# KiCad board model-b.kicad_pcb
title: Model-B; date: 2024-06-18; rev: 0.1; note: Made with spite
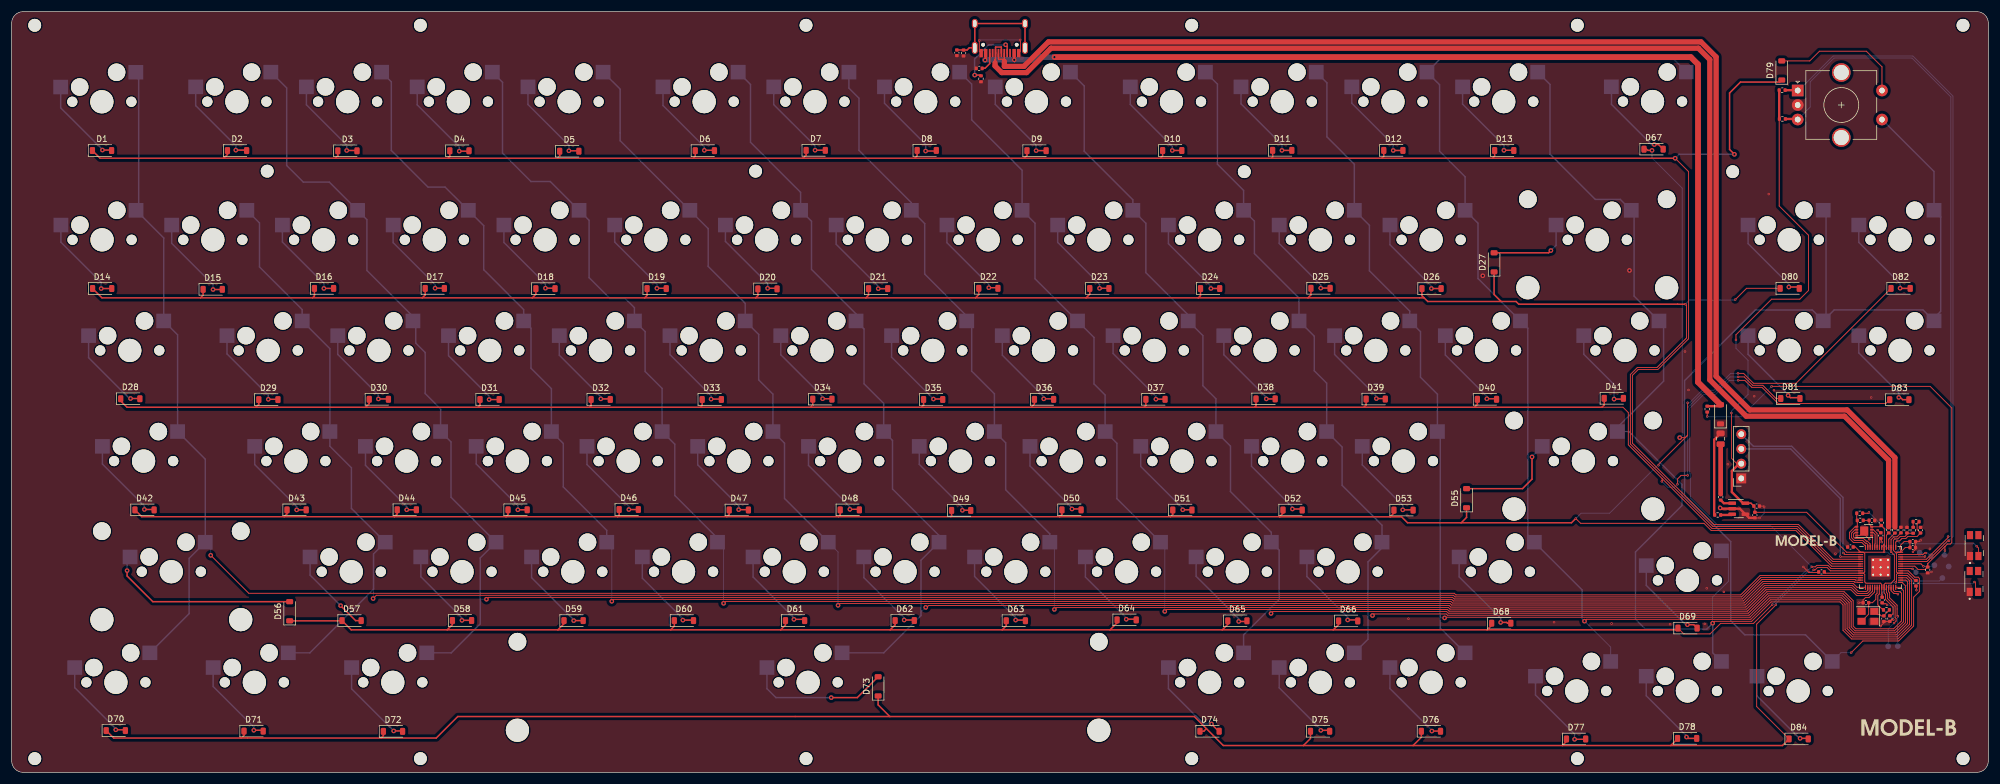
[diagram p0: board, top side]
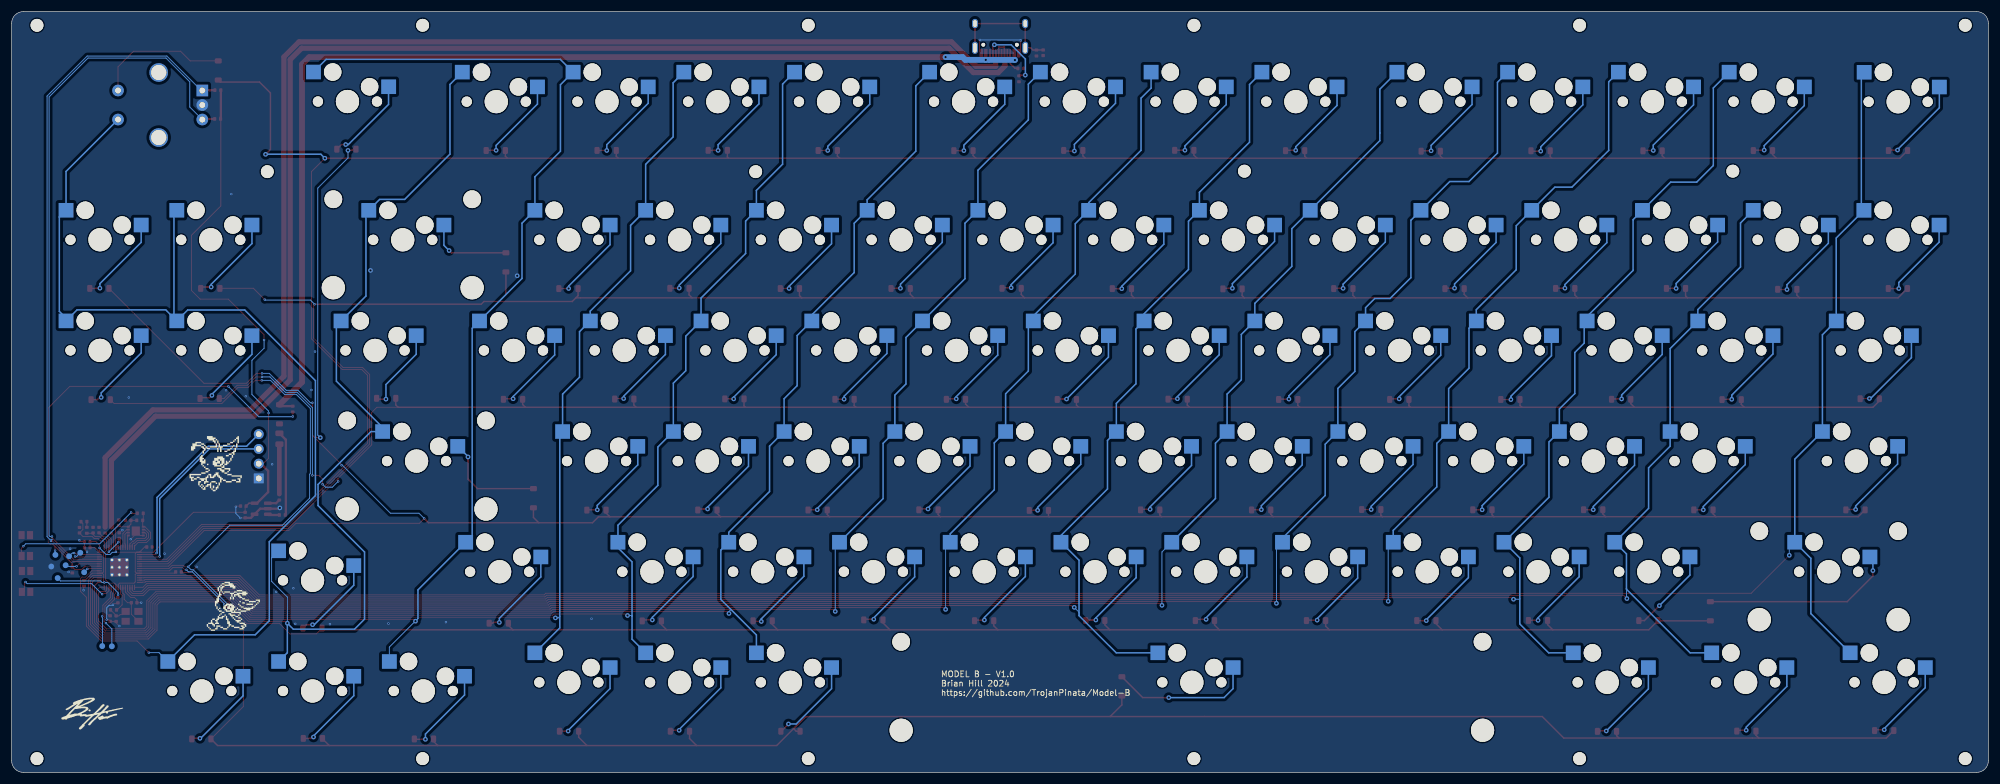
[diagram p1: board, bottom side, seen from below]

Outline 340 x 131 mm; copper layers: Top, Bottom. Coordinates in mm from the lower left corner of the outline.
Outline path: 0,129 0,2 arc(0.59,0.59) 2,0 338,0 arc(339.41,0.59) 340,2 340,129 arc(339.41,130.41) 338,131 2,131 arc(0.59,130.41) 0,129
Stack: Top 0.035mm / dielectric 1.51mm FR4 er 4.5 / Bottom 0.035mm

## Placement (name value [footprint] x y rotation side)
C1  0.1uF  [C_0402_1005Metric]  319.96 43.41 180 top
C2  22pF  [C_0402_1005Metric]  318.93 29.22 0 top
C3  22pF  [C_0402_1005Metric]  322.02 26.47 270 top
C4  0.1uF  [C_0402_1005Metric]  162.58 123.92 270 top
C5  10uF  [C_0402_1005Metric]  299.84 44.31 270 top
C6  10uF  [C_0402_1005Metric]  300.14 45.86 0 top
C7  1uF  [C_0402_1005Metric]  324.96 41.73 90 top
C8  0.1uF  [C_0402_1005Metric]  323.06 26.49 270 top
C9  0.1uF  [C_0402_1005Metric]  321.5 40.78 90 top
C10  0.1uF  [C_0402_1005Metric]  321.73 29.68 270 top
C11  2.2uF  [C_0402_1005Metric]  328.33 41.7 90 top
C12  0.1uF  [C_0402_1005Metric]  326.99 39.74 0 top
C13  0.1uF  [C_0402_1005Metric]  326.99 38.72 0 top
C14  0.1uF  [C_0402_1005Metric]  316.28 38.81 180 top
C15  0.1uF  [C_0402_1005Metric]  321.58 42.99 90 top
C16  0.1uF  [C_0402_1005Metric]  327.55 32.57 270 top
C17  0.1uF  [C_0402_1005Metric]  326 41.71 90 top
C18  2.2uF  [C_0402_1005Metric]  311.29 34.52 180 top
D1  D  [D_SOD-123]  15.54 107.08 0 top
D2  D  [D_SOD-123]  38.77 107.07 0 top
D3  D  [D_SOD-123]  57.75 107.03 0 top
D4  D  [D_SOD-123]  77.02 107.04 0 top
D5  D  [D_SOD-123]  95.92 106.96 0 top
D6  D  [D_SOD-123]  119.23 107.06 0 top
D7  D  [D_SOD-123]  138.31 107.11 0 top
D8  D  [D_SOD-123]  157.4 107.09 0 top
D9  D  [D_SOD-123]  176.29 107.06 0 top
D10  D  [D_SOD-123]  199.62 107.08 0 top
D11  D  [D_SOD-123]  218.54 107.11 0 top
D12  D  [D_SOD-123]  237.66 107.1 0 top
D13  D  [D_SOD-123]  256.73 107.08 0 top
D14  D  [D_SOD-123]  15.57 83.32 0 top
D15  D  [D_SOD-123]  34.59 83.18 0 top
D16  D  [D_SOD-123]  53.73 83.34 0 top
D17  D  [D_SOD-123]  72.78 83.34 0 top
D18  D  [D_SOD-123]  91.81 83.3 0 top
D19  D  [D_SOD-123]  110.95 83.31 0 top
D20  D  [D_SOD-123]  130 83.26 0 top
D21  D  [D_SOD-123]  149.04 83.3 0 top
D22  D  [D_SOD-123]  168 83.35 0 top
D23  D  [D_SOD-123]  187.09 83.33 0 top
D24  D  [D_SOD-123]  206.14 83.32 0 top
D25  D  [D_SOD-123]  225.13 83.35 0 top
D26  D  [D_SOD-123]  244.22 83.31 0 top
D27  D  [D_SOD-123]  254.99 87.82 90 top
D28  D  [D_SOD-123]  20.41 64.34 0 top
D29  D  [D_SOD-123]  44.16 64.19 0 top
D30  D  [D_SOD-123]  63.16 64.24 0 top
D31  D  [D_SOD-123]  82.21 64.21 0 top
D32  D  [D_SOD-123]  101.32 64.22 0 top
D33  D  [D_SOD-123]  120.42 64.21 0 top
D34  D  [D_SOD-123]  139.44 64.27 0 top
D35  D  [D_SOD-123]  158.5 64.21 0 top
D36  D  [D_SOD-123]  177.57 64.23 0 top
D37  D  [D_SOD-123]  196.74 64.24 0 top
D38  D  [D_SOD-123]  215.68 64.31 0 top
D39  D  [D_SOD-123]  234.62 64.29 0 top
D40  D  [D_SOD-123]  253.76 64.24 0 top
D41  D  [D_SOD-123]  275.58 64.41 0 top
D42  D  [D_SOD-123]  22.86 45.2 0 top
D43  D  [D_SOD-123]  49.01 45.21 0 top
D44  D  [D_SOD-123]  67.97 45.23 0 top
D45  D  [D_SOD-123]  87.03 45.22 0 top
D46  D  [D_SOD-123]  106.14 45.26 0 top
D47  D  [D_SOD-123]  125.08 45.19 0 top
D48  D  [D_SOD-123]  144.16 45.2 0 top
D49  D  [D_SOD-123]  163.32 45.11 0 top
D50  D  [D_SOD-123]  182.3 45.21 0 top
D51  D  [D_SOD-123]  201.37 45.18 0 top
D52  D  [D_SOD-123]  220.32 45.18 0 top
D53  D  [D_SOD-123]  239.41 45.16 0 top
D54  1N4002W  [D_SOD-123]  293.93 61.67 90 top
D55  D  [D_SOD-123]  250.25 47.21 90 top
D56  D  [D_SOD-123]  47.82 27.75 90 top
D57  D  [D_SOD-123]  58.47 26.14 0 top
D58  D  [D_SOD-123]  77.46 26.16 0 top
D59  D  [D_SOD-123]  96.66 26.14 0 top
D60  D  [D_SOD-123]  115.64 26.14 0 top
D61  D  [D_SOD-123]  134.75 26.14 0 top
D62  D  [D_SOD-123]  153.61 26.15 0 top
D63  D  [D_SOD-123]  172.72 26.12 0 top
D64  D  [D_SOD-123]  191.78 26.26 0 top
D65  D  [D_SOD-123]  210.83 26.1 0 top
D66  D  [D_SOD-123]  229.88 26.08 0 top
D67  D  [D_SOD-123]  282.42 107.31 0 top
D68  D  [D_SOD-123]  256.21 25.69 0 top
D69  D  [D_SOD-123]  288.25 24.85 0 top
D70  D  [D_SOD-123]  17.92 7.2 0 top
D71  D  [D_SOD-123]  41.62 7.11 0 top
D72  D  [D_SOD-123]  65.59 7.06 0 top
D73  D  [D_SOD-123]  149.04 14.81 90 top
D74  D  [D_SOD-123]  206.04 7.08 0 top
D75  D  [D_SOD-123]  225.05 7.08 0 top
D76  D  [D_SOD-123]  244.12 7.08 0 top
D77  D  [D_SOD-123]  269.08 5.75 0 top
D78  D  [D_SOD-123]  288.18 5.85 0 top
D79  D  [D_SOD-123]  304.46 120.86 90 top
D80  D  [D_SOD-123]  305.83 83.34 0 top
D81  D  [D_SOD-123]  305.94 64.38 0 top
D82  D  [D_SOD-123]  324.91 83.34 0 top
D83  D  [D_SOD-123]  324.68 64.18 0 top
D84  D  [D_SOD-123]  307.37 5.76 0 top
F1  0805L050WR  [Fuse_0805_2012Metric]  293.94 57.46 270 top
FB1  FB  [R_0402_1005Metric]  293.95 47.41 90 top
G***  -  [LOGO]  326.15 7.27 0 top
G***#2  -  [LOGO]  308.55 39.62 0 top
G***#3  -  [LOGO]  326 10.27 180 bottom
G***#4  -  [LOGO]  304.91 53.16 180 bottom
G***#5  -  [LOGO]  301.75 28.59 180 bottom
NOREF  -  [MountingHole_2.2mm_M2_ISO7380]  269.31 2.37 0 top
NOREF#2  -  [unnamed]  212.02 103.44 0 top
NOREF#3  -  [unnamed]  202.97 128.65 0 top
NOREF#4  -  [unnamed]  296.02 103.44 0 top
NOREF#5  -  [unnamed]  70.31 128.65 0 top
NOREF#6  -  [unnamed]  335.64 128.65 0 top
NOREF#7  -  [unnamed]  3.97 128.65 0 top
NOREF#8  -  [MountingHole_2.2mm_M2_ISO7380]  335.64 2.37 0 top
NOREF#9  -  [MountingHole_2.2mm_M2_ISO7380]  70.31 2.37 0 top
NOREF#10  -  [unnamed]  269.31 128.65 0 top
NOREF#11  -  [unnamed]  136.64 128.65 0 top
NOREF#12  -  [unnamed]  127.96 103.53 0 top
NOREF#13  -  [MountingHole_2.2mm_M2_ISO7380]  202.98 2.37 0 top
NOREF#14  -  [MountingHole_2.2mm_M2_ISO7380]  136.65 2.37 0 top
NOREF#15  -  [unnamed]  43.96 103.53 0 top
OLED1  Conn_01x04  [PinSocket_1x04_P2.54mm_Vertical]  297.5 50.62 180 top
R1  10k  [R_0402_1005Metric]  304.53 117.48 180 top
R2  10k  [R_0402_1005Metric]  304.57 112.52 180 top
R3  1k  [R_0402_1005Metric]  317.87 44.62 180 top
R4  10k  [R_0402_1005Metric]  317.97 43.4 0 top
R5  1k  [R_0402_1005Metric]  322.47 27.98 180 top
R6  10k  [R_0402_1005Metric]  163.73 123.87 90 top
R7  10k  [R_0402_1005Metric]  329.56 34.86 90 top
R8  5.6k  [R_0402_1005Metric]  291.65 62.56 90 top
R9  5.1k  [R_0402_1005Metric]  166.73 119.43 270 top
R10  5.1k  [R_0402_1005Metric]  166.42 121.22 180 top
R11  100k  [R_0402_1005Metric]  293.44 44.33 0 top
R13  200  [R_0402_1005Metric]  327.07 41.69 90 top
R14  1  [R_0402_1005Metric]  327.56 43.18 0 top
R15  27  [R_0402_1005Metric]  322.86 41.75 90 top
R16  27  [R_0402_1005Metric]  323.92 41.72 90 top
REF**  -  [MountingHole_2.2mm_M2_ISO7380]  3.98 2.37 0 top
ROTARY1  VOLUME  [RotaryEncoder_Alps_EC11E-Switch_Vertical_H20mm_CircularMountingHoles]  307.2 117.42 0 top
S1  BOOT_SEL  [SW_EVQ-P7A01P]  337.56 39.06 90 top
S2  RESET  [SW_EVQ-P7A01P]  337.51 32.88 90 top
SW1  SW_ESC  [MXOnly-1U-Hotswap]  15.52 115.48 0 top
SW2  SW_F1  [MXOnly-1U-Hotswap]  38.74 115.5 0 top
SW3  SW_F2  [MXOnly-1U-Hotswap]  57.79 115.5 0 top
SW4  SW_F3  [MXOnly-1U-Hotswap]  76.84 115.5 0 top
SW5  SW_F4  [MXOnly-1U-Hotswap]  95.89 115.5 0 top
SW6  SW_F5  [MXOnly-1U-Hotswap]  119.12 115.5 0 top
SW7  SW_F6  [MXOnly-1U-Hotswap]  138.17 115.5 0 top
SW8  SW_F7  [MXOnly-1U-Hotswap]  157.22 115.5 0 top
SW9  SW_F8  [MXOnly-1U-Hotswap]  176.27 115.5 0 top
SW10  SW_F9  [MXOnly-1U-Hotswap]  199.49 115.5 0 top
SW11  SW_F10  [MXOnly-1U-Hotswap]  218.54 115.5 0 top
SW12  SW_F11  [MXOnly-1U-Hotswap]  237.59 115.5 0 top
SW13  SW_F12  [MXOnly-1U-Hotswap]  256.64 115.5 0 top
SW14  SW_`~  [MXOnly-1U-Hotswap]  15.56 91.71 0 top
SW15  SW_1  [MXOnly-1U-Hotswap]  34.61 91.71 0 top
SW16  SW_2  [MXOnly-1U-Hotswap]  53.66 91.71 0 top
SW17  SW_3  [MXOnly-1U-Hotswap]  72.71 91.71 0 top
SW18  SW_4  [MXOnly-1U-Hotswap]  91.76 91.71 0 top
SW19  SW_5  [MXOnly-1U-Hotswap]  110.81 91.71 0 top
SW20  SW_6  [MXOnly-1U-Hotswap]  129.86 91.71 0 top
SW21  SW_7  [MXOnly-1U-Hotswap]  148.91 91.71 0 top
SW22  SW_8  [MXOnly-1U-Hotswap]  167.96 91.71 0 top
SW23  SW_9  [MXOnly-1U-Hotswap]  187.01 91.71 0 top
SW24  SW_0  [MXOnly-1U-Hotswap]  206.06 91.71 0 top
SW25  SW_-  [MXOnly-1U-Hotswap]  225.11 91.71 0 top
SW26  SW_=  [MXOnly-1U-Hotswap]  244.16 91.71 0 top
SW27  SW_BACKSPACE  [MXOnly-2U-Hotswap]  272.73 91.71 0 top
SW28  SW_TAB  [MXOnly-1.5U-Hotswap]  20.32 72.66 0 top
SW29  SW_Q  [MXOnly-1U-Hotswap]  44.13 72.66 0 top
SW30  SW_W  [MXOnly-1U-Hotswap]  63.18 72.66 0 top
SW31  SW_E  [MXOnly-1U-Hotswap]  82.23 72.66 0 top
SW32  SW_R  [MXOnly-1U-Hotswap]  101.28 72.66 0 top
SW33  SW_T  [MXOnly-1U-Hotswap]  120.33 72.66 0 top
SW34  SW_Y  [MXOnly-1U-Hotswap]  139.38 72.66 0 top
SW35  SW_U  [MXOnly-1U-Hotswap]  158.43 72.66 0 top
SW36  SW_I  [MXOnly-1U-Hotswap]  177.48 72.66 0 top
SW37  SW_O  [MXOnly-1U-Hotswap]  196.53 72.66 0 top
SW38  SW_P  [MXOnly-1U-Hotswap]  215.58 72.66 0 top
SW39  SW_[  [MXOnly-1U-Hotswap]  234.63 72.66 0 top
SW40  SW_]  [MXOnly-1U-Hotswap]  253.68 72.66 0 top
SW41  SW_\  [MXOnly-1.5U-Hotswap]  277.5 72.66 0 top
SW42  SW_CAPS  [MXOnly-1.75U-Hotswap]  22.7 53.61 0 top
SW43  SW_A  [MXOnly-1U-Hotswap]  48.89 53.61 0 top
SW44  SW_S  [MXOnly-1U-Hotswap]  67.94 53.61 0 top
SW45  SW_D  [MXOnly-1U-Hotswap]  86.99 53.61 0 top
SW46  SW_F  [MXOnly-1U-Hotswap]  106.04 53.61 0 top
SW47  SW_G  [MXOnly-1U-Hotswap]  125.09 53.61 0 top
SW48  SW_H  [MXOnly-1U-Hotswap]  144.14 53.61 0 top
SW49  SW_J  [MXOnly-1U-Hotswap]  163.19 53.61 0 top
SW50  SW_K  [MXOnly-1U-Hotswap]  182.24 53.61 0 top
SW51  SW_L  [MXOnly-1U-Hotswap]  201.29 53.61 0 top
SW52  SW_;  [MXOnly-1U-Hotswap]  220.34 53.61 0 top
SW53  SW_'  [MXOnly-1U-Hotswap]  239.39 53.61 0 top
SW54  SW_F13  [MXOnly-1U-Hotswap]  282.24 115.52 0 top
SW55  SW_ENTER  [MXOnly-2.25U-Hotswap]  270.35 53.61 0 top
SW56  SW_LSHIFT  [MXOnly-2.25U-Hotswap]  27.46 34.56 0 top
SW57  SW_Z  [MXOnly-1U-Hotswap]  58.42 34.56 0 top
SW58  SW_X  [MXOnly-1U-Hotswap]  77.47 34.56 0 top
SW59  SW_C  [MXOnly-1U-Hotswap]  96.52 34.56 0 top
SW60  SW_V  [MXOnly-1U-Hotswap]  115.57 34.56 0 top
SW61  SW_B  [MXOnly-1U-Hotswap]  134.62 34.56 0 top
SW62  SW_N  [MXOnly-1U-Hotswap]  153.67 34.56 0 top
SW63  SW_M  [MXOnly-1U-Hotswap]  172.72 34.56 0 top
SW64  SW_,  [MXOnly-1U-Hotswap]  191.77 34.56 0 top
SW65  SW_.  [MXOnly-1U-Hotswap]  210.82 34.56 0 top
SW66  SW_/  [MXOnly-1U-Hotswap]  229.87 34.56 0 top
SW68  SW_RSHIFT  [MXOnly-1.75U-Hotswap]  256.06 34.56 0 top
SW69  SW_UP  [MXOnly-1U-Hotswap]  288.24 33.07 0 top
SW70  SW_LCTRL  [MXOnly-1.25U-Hotswap]  17.94 15.51 0 top
SW71  SW_LWIN  [MXOnly-1.25U-Hotswap]  41.75 15.51 0 top
SW72  SW_LALT  [MXOnly-1.25U-Hotswap]  65.56 15.51 0 top
SW73  SW_SPACE  [MXOnly-6.25U-Hotswap]  137 15.51 0 top
SW74  SW_RALT  [MXOnly-1U-Hotswap]  206.06 15.51 0 top
SW75  SW_FN  [MXOnly-1U-Hotswap]  225.11 15.51 0 top
SW76  SW_RCTRL  [MXOnly-1U-Hotswap]  244.16 15.51 0 top
SW77  SW_LEFT  [MXOnly-1U-Hotswap]  269.19 14.02 0 top
SW78  SW_DOWN  [MXOnly-1U-Hotswap]  288.24 14.02 0 top
SW80  SW_DEL  [MXOnly-1U-Hotswap]  305.75 91.72 0 top
SW81  SW_INSERT  [MXOnly-1U-Hotswap]  305.75 72.67 0 top
SW82  SW_HOME  [MXOnly-1U-Hotswap]  324.8 91.72 0 top
SW83  SW_END  [MXOnly-1U-Hotswap]  324.8 72.67 0 top
SW84  SW_RIGHT  [MXOnly-1U-Hotswap]  307.29 14.02 0 top
TP1  TestPoint  [CustomTestPoint]  327.53 34.46 180 bottom
TP2  TestPoint  [CustomTestPoint]  330.71 35.67 180 bottom
TP3  TestPoint  [CustomTestPoint]  328.19 37.82 180 bottom
TP4  TestPoint  [CustomTestPoint]  330.12 37.22 180 bottom
TP5  TestPoint  [CustomTestPoint]  322.77 21.71 180 bottom
TP6  TestPoint  [CustomTestPoint]  324.42 21.75 180 bottom
TP7  TestPoint  [CustomTestPoint]  332.47 37.45 180 bottom
TP8  TestPoint  [CustomTestPoint]  333.17 35.45 180 bottom
TP9  TestPoint  [CustomTestPoint]  332.08 33.46 180 bottom
U1  W25Q16JVUXIQ  [SON-8-1EP_3x2mm_P0.5mm_EP1.4x1.6mm]  318.64 41.55 0 top
U2  TLV75533PDBVR  [SOT-23-5]  297.07 45.4 0 top
U3  RP2040  [RP2040-QFN-56]  321.46 35.31 0 top
USB1  -  [HRO-TYPE-C-31-M-12]  169.98 131.55 180 top
Y1  12MHz  [Crystal_SMD_3225-4Pin_3.2x2.5mm]  319.29 26.87 180 top

## Library data of the parts
C1-C18 = -: Description: Unpolarized capacitor
D1-D53 D55-D84 = -: Description: Diode; Sim.Pins: 1=K 2=A
D54 = -: Description: Zener diode
F1 = -: Description: Resettable fuse, polymeric positive temperature coefficient
FB1 = -: Description: Ferrite bead
OLED1 = -: Description: Generic connector, single row, 01x04, script generated (kicad-library-utils/schlib/autogen/connector/)
R1 R2 = -: Description: Resistor, small symbol
R3-R11 R13-R16 = -: Description: Resistor
ROTARY1 = -: Description: Rotary encoder, dual channel, incremental quadrate outputs, with switch
S1 S2 = -: MANUFACTURER: Panasonic Electronic Components; MAXIMUM_PACKAGE_HEIGHT: 1.35mm; PARTREV: 2022.4; STANDARD: Manufacturer Recommendations
SW1-SW66 SW68-SW78 SW80-SW84 = -: Description: Single Pole Single Throw (SPST) switch
TP1-TP9 = -: Description: test point
U1 = -: Description: 32Mb Serial Flash Memory, Standard/Dual/Quad SPI, DFN-8
U2 = -: Description: 300mA low dropout linear regulator, shutdown pin, 1.5V fixed positive output, SOT-23-5
Y1 = -: Description: Four pin crystal, GND on pins 2 and 4

## Footprints (pads in the part's own frame, mm; a bottom-side part is the same pattern mirrored in y, then rotated)
C_0402_1005Metric
  rrect 0.56x0.62 smd: 1(-0.48,0) 2(0.48,0)
Crystal_SMD_3225-4Pin_3.2x2.5mm
  rect 1.4x1.2 smd: 1(-1.1,-0.85) 2(1.1,-0.85) 3(1.1,0.85) 4(-1.1,0.85)
CustomTestPoint
  round 1 smd: 1(0,0)
D_SOD-123
  rrect 0.9x1.2 smd: 1(-1.65,0) 2(1.65,0)
Fuse_0805_2012Metric
  rrect 0.975x1.4 smd: 1(-0.938,0) 2(0.938,0)
HRO-TYPE-C-31-M-12
  round 0.65 hole 0.65 unplated: (-2.89,6.25) (2.89,6.25)
  rect 0.6x1.45 smd: 1(-3.225,7.695) 2(-2.45,7.695) 11(2.45,7.695) 12(3.225,7.695)
  rect 0.3x1.45 smd: 3(-1.75,7.695) 4(-1.25,7.695) 5(-0.75,7.695) 6(-0.25,7.695) 7(0.25,7.695) 8(0.75,7.695) 9(1.25,7.695) 10(1.75,7.695)
  oval 1x2.1 hole 0.6x1.7: 13(-4.32,6.78) 13(4.32,6.78)
  oval 1x1.6 hole 0.6x1.2: 13(-4.32,2.6) 13(4.32,2.6)
MountingHole_2.2mm_M2_ISO7380
  round 2.2 hole 2.2 unplated: (0,0)
MXOnly-1.5U-Hotswap
  round 1.75 hole 1.75 unplated: (-5.08,0) (5.08,0)
  round 3 hole 3 unplated: (-3.81,2.54) (2.54,5.08)
  round 3.988 hole 3.988 unplated: (0,0)
  rect 2.55x2.5 smd far side: 1(-7.085,2.54) 2(5.842,5.08)
MXOnly-1.25U-Hotswap
  round 1.75 hole 1.75 unplated: (-5.08,0) (5.08,0)
  round 3 hole 3 unplated: (-3.81,2.54) (2.54,5.08)
  round 3.988 hole 3.988 unplated: (0,0)
  rect 2.55x2.5 smd far side: 1(-7.085,2.54) 2(5.842,5.08)
MXOnly-1.75U-Hotswap
  round 1.75 hole 1.75 unplated: (-5.08,0) (5.08,0)
  round 3 hole 3 unplated: (-3.81,2.54) (2.54,5.08)
  round 3.988 hole 3.988 unplated: (0,0)
  rect 2.55x2.5 smd far side: 1(-7.085,2.54) 2(5.842,5.08)
MXOnly-1U-Hotswap
  round 1.75 hole 1.75 unplated: (-5.08,0) (5.08,0)
  round 3 hole 3 unplated: (-3.81,2.54) (2.54,5.08)
  round 3.988 hole 3.988 unplated: (0,0)
  rect 2.55x2.5 smd far side: 1(-7.085,2.54) 2(5.842,5.08)
MXOnly-2.25U-Hotswap
  round 3.048 hole 3.048 unplated: (-11.938,6.985) (11.938,6.985)
  round 3.988 hole 3.988 unplated: (-11.938,-8.255) (0,0) (11.938,-8.255)
  round 1.75 hole 1.75 unplated: (-5.08,0) (5.08,0)
  round 3 hole 3 unplated: (-3.81,2.54) (2.54,5.08)
  rect 2.55x2.5 smd far side: 1(-7.085,2.54) 2(5.842,5.08)
MXOnly-2U-Hotswap
  round 3.048 hole 3.048 unplated: (-11.938,6.985) (11.938,6.985)
  round 3.988 hole 3.988 unplated: (-11.938,-8.255) (0,0) (11.938,-8.255)
  round 1.75 hole 1.75 unplated: (-5.08,0) (5.08,0)
  round 3 hole 3 unplated: (-3.81,2.54) (2.54,5.08)
  rect 2.55x2.5 smd far side: 1(-7.085,2.54) 2(5.842,5.08)
MXOnly-6.25U-Hotswap
  round 3.048 hole 3.048 unplated: (-50,6.985) (50,6.985)
  round 3.988 hole 3.988 unplated: (-50,-8.255) (0,0) (50,-8.255)
  round 1.75 hole 1.75 unplated: (-5.08,0) (5.08,0)
  round 3 hole 3 unplated: (-3.81,2.54) (2.54,5.08)
  rect 2.55x2.5 smd far side: 1(-7.085,2.54) 2(5.842,5.08)
PinSocket_1x04_P2.54mm_Vertical
  rect 1.7x1.7 hole 1: 1(0,0)
  oval 1.7x1.7 hole 1: 2(0,-2.54) 3(0,-5.08) 4(0,-7.62)
R_0402_1005Metric
  rrect 0.54x0.64 smd: 1(-0.51,0) 2(0.51,0)
RotaryEncoder_Alps_EC11E-Switch_Vertical_H20mm_CircularMountingHoles
  rect 2x2 hole 1: A(0,0)
  round 2 hole 1: B(0,-5) C(0,-2.5) S1(14.5,-5) S2(14.5,0)
  round 3.2 hole 2.6: MP(7.5,3.1) MP(7.5,-8.1)
RP2040-QFN-56
  rrect 1.084x1.084 smd: (-0.637,0.637) (-0.637,-0.637) (0.637,0.637) (0.637,-0.637)
  rrect 0.875x0.2 smd: 1(-3.438,2.6) 2(-3.438,2.2) 3(-3.438,1.8) 4(-3.438,1.4) 5(-3.438,1) 6(-3.438,0.6) 7(-3.438,0.2) 8(-3.438,-0.2) 9(-3.438,-0.6) 10(-3.438,-1) 11(-3.438,-1.4) 12(-3.438,-1.8) 13(-3.438,-2.2) 14(-3.438,-2.6) 29(3.438,-2.6) 30(3.438,-2.2) 31(3.438,-1.8) 32(3.438,-1.4) 33(3.438,-1) 34(3.438,-0.6) 35(3.438,-0.2) 36(3.438,0.2) 37(3.438,0.6) 38(3.438,1) 39(3.438,1.4) 40(3.438,1.8) 41(3.438,2.2) 42(3.438,2.6)
  rrect 0.2x0.875 smd: 15(-2.6,-3.438) 16(-2.2,-3.438) 17(-1.8,-3.438) 18(-1.4,-3.438) 19(-1,-3.438) 20(-0.6,-3.438) 21(-0.2,-3.438) 22(0.2,-3.438) 23(0.6,-3.438) 24(1,-3.438) 25(1.4,-3.438) 26(1.8,-3.438) 27(2.2,-3.438) 28(2.6,-3.438) 43(2.6,3.438) 44(2.2,3.438) 45(1.8,3.438) 46(1.4,3.438) 47(1,3.438) 48(0.6,3.438) 49(0.2,3.438) 50(-0.2,3.438) 51(-0.6,3.438) 52(-1,3.438) 53(-1.4,3.438) 54(-1.8,3.438) 55(-2.2,3.438) 56(-2.6,3.438)
  round 0.6 hole 0.35: 57(-1.275,1.275) 57(-1.275,0) 57(-1.275,-1.275) 57(0,1.275) 57(0,0) 57(0,-1.275) 57(1.275,1.275) 57(1.275,0) 57(1.275,-1.275)
  rrect 3.2x3.2 smd: 57(0,0)
SON-8-1EP_3x2mm_P0.5mm_EP1.4x1.6mm
  rrect 0.56x0.64 smd: (-0.35,0.4) (-0.35,-0.4) (0.35,0.4) (0.35,-0.4)
  rrect 0.525x0.35 smd: 1(-1.288,0.75) 2(-1.288,0.25) 3(-1.288,-0.25) 4(-1.288,-0.75) 5(1.288,-0.75) 6(1.288,-0.25) 7(1.288,0.25) 8(1.288,0.75)
  rect 1.4x1.6 smd: 9(0,0)
SOT-23-5
  rrect 1.325x0.6 smd: 1(-1.137,0.95) 2(-1.137,0) 3(-1.137,-0.95) 4(1.137,-0.95) 5(1.137,0.95)
SW_EVQ-P7A01P
  rect 1.4x1.05 smd: 1_1(-1.8,0.725) 1_2(1.8,0.725) 2_1(-1.8,-0.725) 2_2(1.8,-0.725)
unnamed
  round 2.2 hole 2.2 unplated: (0,0)

## Nets
3V3_EN: R11.2 U2.3
+1V1: C7.1 C8.1 C9.1 U3.23 U3.45 U3.50
+3V3: C1.2 C5.1 C6.1 C10.1 C12.1 C13.1 C14.1 C15.1 C16.1 C17.1 C18.1 OLED1.2 R1.2 R2.2 R4.2 R13.1 TP9.1 U1.8 U2.5 U3.1 U3.10 U3.22 U3.33 U3.42 U3.44 U3.48 U3.49
GND: C1.1 C2.1 C3.2 C4.2 C5.2 C6.2 C7.2 C8.2 C9.2 C10.2 C11.2 C12.2 C13.2 C14.2 C15.2 C16.2 C17.2 C18.2 OLED1.1 R6.1 R7.1 R9.2 R10.2 ROTARY1.C S1.1_1 S2.1_1 TP8.1 U1.4 U1.9 U2.2 U2.4 U3.19 U3.57 USB1.1 USB1.12 Y1.2 Y1.4
VBUS: D54.2 R8.2 USB1.2 USB1.11
/ADC_VREF: R13.2 R14.1
/col0: SW1.2 SW14.2 SW28.2 SW42.2 SW56.2 SW70.2 U3.11
/col1: SW15.2 SW29.2 SW43.2 SW57.2 SW71.2 U3.12
/col2: SW2.2 SW16.2 SW30.2 SW44.2 SW58.2 SW72.2 U3.13
/col3: SW3.2 SW17.2 SW31.2 SW45.2 SW59.2 U3.14
/col4: SW4.2 SW18.2 SW32.2 SW46.2 SW60.2 U3.15
/col5: SW5.2 SW19.2 SW33.2 SW47.2 SW61.2 U3.16
/col6: SW6.2 SW20.2 SW34.2 SW48.2 SW62.2 SW73.2 U3.17
/col7: SW7.2 SW21.2 SW35.2 SW49.2 SW63.2 U3.18
/col8: SW8.2 SW22.2 SW36.2 SW50.2 SW64.2 U3.27
/col9: SW9.2 SW23.2 SW37.2 SW51.2 SW65.2 SW74.2 U3.28
/col10: SW10.2 SW24.2 SW38.2 SW52.2 SW66.2 SW75.2 U3.29
/col11: SW11.2 SW25.2 SW39.2 SW53.2 SW76.2 U3.30
/col12: SW12.2 SW26.2 SW40.2 SW54.2 SW68.2 SW77.2 U3.31
/col13: SW13.2 SW27.2 SW41.2 SW55.2 SW69.2 SW78.2 U3.32
/col14: ROTARY1.S1 SW80.2 SW81.2 SW82.2 SW83.2 SW84.2 U3.34
/GPIO24: R7.2 R8.1 TP7.1 U3.36
/QSPI_SCLK: U1.6 U3.52
/QSPI_SD0: U1.5 U3.53
/QSPI_SD1: U1.2 U3.55
/QSPI_SD2: U1.3 U3.54
/QSPI_SD3: U1.7 U3.51
/QSPI_SS: R3.2 R4.1 U1.1 U3.56
/RES: D79.2 ROTARY1.S2
/RESCLK: R1.1 ROTARY1.A U3.38
/RESDATA: R2.1 ROTARY1.B U3.39
/row0: D1.1 D2.1 D3.1 D4.1 D5.1 D6.1 D7.1 D8.1 D9.1 D10.1 D11.1 D12.1 D13.1 D79.1 U3.4
/row1: D14.1 D15.1 D16.1 D17.1 D18.1 D19.1 D20.1 D21.1 D22.1 D23.1 D24.1 D25.1 D26.1 D27.1 D80.1 U3.5
/row2: D28.1 D29.1 D30.1 D31.1 D32.1 D33.1 D34.1 D35.1 D36.1 D37.1 D38.1 D39.1 D40.1 D41.1 D81.1 U3.6
/row3: D42.1 D43.1 D44.1 D45.1 D46.1 D47.1 D48.1 D49.1 D50.1 D51.1 D52.1 D53.1 D55.1 D67.1 D82.1 U3.7
/row4: D56.1 D57.1 D58.1 D59.1 D60.1 D61.1 D62.1 D63.1 D64.1 D65.1 D66.1 D68.1 D69.1 D83.1 U3.8
/row5: D70.1 D71.1 D72.1 D73.1 D74.1 D75.1 D76.1 D77.1 D78.1 D84.1 U3.9
/RUN: S2.2_1 U3.26
/SCL: OLED1.3 U3.3
/SDA: OLED1.4 U3.2
/USB_BOOT: R3.1 S1.2_1
/USB_DN: R16.2 USB1.5 USB1.7
/USB_DP: R15.2 USB1.6 USB1.8
VSYS: D54.1 F1.1 R11.1
XIN: C2.2 U3.20 Y1.3
XOUT: R5.2 U3.21
Net-(C3-Pad1): C3.1 R5.1 Y1.1
Net-(D1-A): D1.2 SW1.1
Net-(D2-A): D2.2 SW2.1
Net-(D3-A): D3.2 SW3.1
Net-(D4-A): D4.2 SW4.1
Net-(D5-A): D5.2 SW5.1
Net-(D6-A): D6.2 SW6.1
Net-(D7-A): D7.2 SW7.1
Net-(D8-A): D8.2 SW8.1
Net-(D9-A): D9.2 SW9.1
Net-(D10-A): D10.2 SW10.1
Net-(D11-A): D11.2 SW11.1
Net-(D12-A): D12.2 SW12.1
Net-(D13-A): D13.2 SW13.1
Net-(D14-A): D14.2 SW14.1
Net-(D15-A): D15.2 SW15.1
Net-(D16-A): D16.2 SW16.1
Net-(D17-A): D17.2 SW17.1
Net-(D18-A): D18.2 SW18.1
Net-(D19-A): D19.2 SW19.1
Net-(D20-A): D20.2 SW20.1
Net-(D21-A): D21.2 SW21.1
Net-(D22-A): D22.2 SW22.1
Net-(D23-A): D23.2 SW23.1
Net-(D24-A): D24.2 SW24.1
Net-(D25-A): D25.2 SW25.1
Net-(D26-A): D26.2 SW26.1
Net-(D27-A): D27.2 SW27.1
Net-(D28-A): D28.2 SW28.1
Net-(D29-A): D29.2 SW29.1
Net-(D30-A): D30.2 SW30.1
Net-(D31-A): D31.2 SW31.1
Net-(D32-A): D32.2 SW32.1
Net-(D33-A): D33.2 SW33.1
Net-(D34-A): D34.2 SW34.1
Net-(D35-A): D35.2 SW35.1
Net-(D36-A): D36.2 SW36.1
Net-(D37-A): D37.2 SW37.1
Net-(D38-A): D38.2 SW38.1
Net-(D39-A): D39.2 SW39.1
Net-(D40-A): D40.2 SW40.1
Net-(D41-A): D41.2 SW41.1
Net-(D42-A): D42.2 SW42.1
Net-(D43-A): D43.2 SW43.1
Net-(D44-A): D44.2 SW44.1
Net-(D45-A): D45.2 SW45.1
Net-(D46-A): D46.2 SW46.1
Net-(D47-A): D47.2 SW47.1
Net-(D48-A): D48.2 SW48.1
Net-(D49-A): D49.2 SW49.1
Net-(D50-A): D50.2 SW50.1
Net-(D51-A): D51.2 SW51.1
Net-(D52-A): D52.2 SW52.1
Net-(D53-A): D53.2 SW53.1
Net-(D55-A): D55.2 SW55.1
Net-(D56-A): D56.2 SW56.1
Net-(D57-A): D57.2 SW57.1
Net-(D58-A): D58.2 SW58.1
Net-(D59-A): D59.2 SW59.1
Net-(D60-A): D60.2 SW60.1
Net-(D61-A): D61.2 SW61.1
Net-(D62-A): D62.2 SW62.1
Net-(D63-A): D63.2 SW63.1
Net-(D64-A): D64.2 SW64.1
Net-(D65-A): D65.2 SW65.1
Net-(D66-A): D66.2 SW66.1
Net-(D67-A): D67.2 SW54.1
Net-(D68-A): D68.2 SW68.1
Net-(D69-A): D69.2 SW69.1
Net-(D70-A): D70.2 SW70.1